# Altium PCB TEBF0808ASCII.PcbDoc (part 6 of 10)
Units mm, origin at the board's own origin, x right, y up, seen from the top; angles counter-clockwise.
Board outline 170 x 170 mm, 16 copper layers (L 01, L 02 G, L 03 S, L 04 G, L 05 S, L 06 G, L 07 P, L 08 P, L 09 P, L 10 P, L 11 G, L 12 S, L 13 G, L 14 S, L 15 G, L 16), stack 1.774 mm thick; 609 components, 869 nets, 3941 pads, 2358 vias.
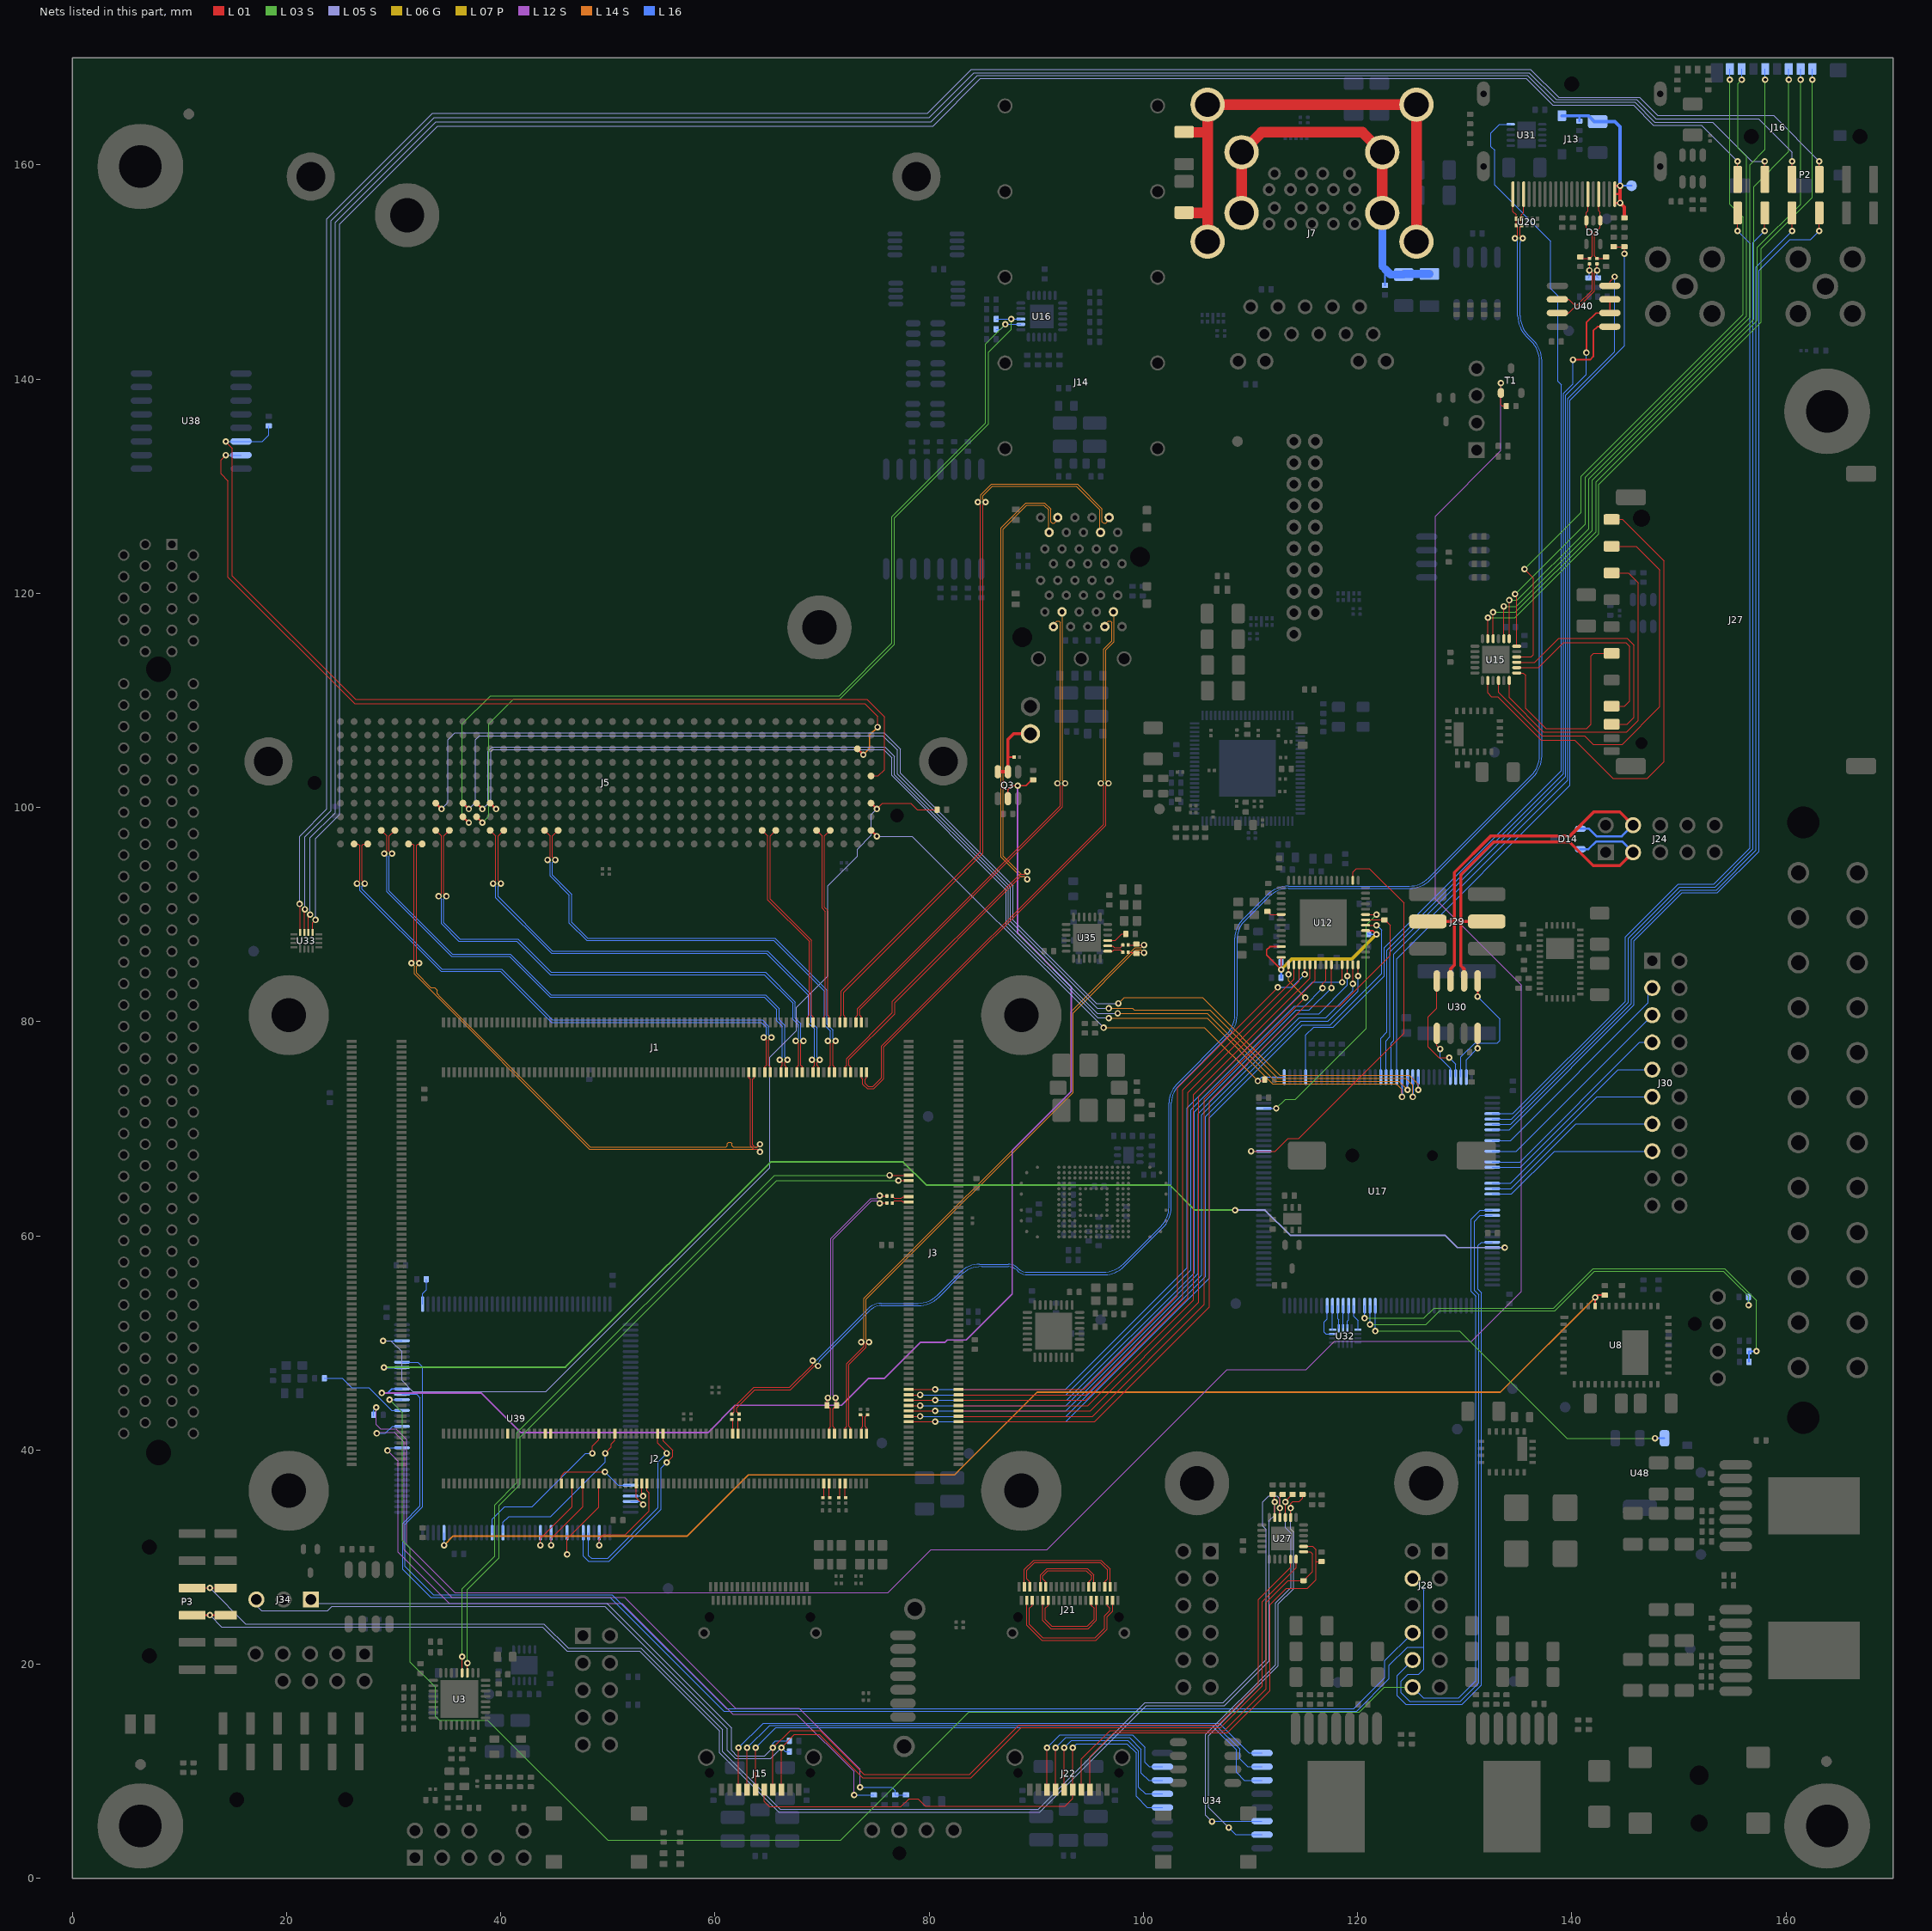
[diagram p16: the nets of this part, all layers, seen from the top]

## Via types
v1: diameter 0.6, hole 0.3, L 01 to L 16, 2358 vias

## Nets (pads, with @x,y where several pads share a name; then routed paths per layer and width w, separated by ;. In a path a pad name is that pad's centre, name@x,y a point inside that pad or via, vN(x,y) a via of type N, cw(c..) or ccw(c..) an arc to the next point about the centre after c; other vN are vias at no path point) (continued)
B229_TX0_N: J1.46 J5.A35 | length 60
  L 01 w0.1: J5.A35@31.386,96.585 31.776,96.585 31.911,96.45 31.911,85.7 v1(31.661,85.45) ; J1.46@63.155,75.268 63.155,74.753 63.295,74.613 63.295,68.394 63.609,68.08 63.95,68.08 v1(64.2,67.83)
  L 14 S w0.08: v1(31.661,85.45) 31.921,85.19 31.921,84.446 48.277,68.09 63.94,68.09 v1(64.2,67.83)
B229_TX0_P: J1.44 J5.A34 | length 60.1
  L 01 w0.1: v1(32.381,85.45) 32.131,85.7 32.131,96.45 32.266,96.585 J5.A34@32.656,96.585 ; J1.44@63.655,75.268 63.655,74.753 63.515,74.613 63.515,68.485 63.7,68.3 63.95,68.3 v1(64.2,68.55)
  L 14 S w0.08: v1(32.381,85.45) 32.121,85.19 32.121,84.529 33.4,83.25 33.465,83.185 33.809,83.185 34.055,82.938 34.055,82.595 34.35,82.3 48.36,68.29 60.9,68.29 61.019,68.29 61.149,68.42 61.149,68.603 61.279,68.733 61.453,68.733 61.583,68.603 61.583,68.42 61.713,68.29 61.8,68.29 63.94,68.29 v1(64.2,68.55)
B229_TX1_N: J1.40 J5.A39 | length 52.7
  L 01 w0.1: J5.A39@26.306,96.585 26.696,96.585 26.831,96.45 26.831,93.15 v1(26.581,92.9) ; v1(64.545,78.525) 64.795,78.275 64.795,75.923 64.655,75.783 J1.40@64.655,75.268
  L 16 w0.1: v1(26.581,92.9) 26.831,92.65 26.831,92.258 34.409,84.68 39.978,84.68 44.728,79.93 64.333,79.93 64.795,79.468 64.795,78.775 v1(64.545,78.525)
B229_TX1_P: J1.38 J5.A38 | length 52.7
  L 01 w0.1: v1(27.301,92.9) 27.051,93.15 27.051,96.45 27.186,96.585 J5.A38@27.576,96.585 ; J1.38@65.155,75.268 65.155,75.783 65.015,75.923 65.015,78.275 v1(65.265,78.525)
  L 16 w0.1: v1(27.301,92.9) 27.051,92.65 27.051,92.349 34.5,84.9 40.069,84.9 44.819,80.15 64.424,80.15 65.015,79.559 65.015,78.775 v1(65.265,78.525)
B229_TX2_N: J1.34 J5.B37 | length 53.5
  L 01 w0.1: J5.B37@28.846,97.855 29.371,97.33 29.371,95.95 v1(29.121,95.7) ; v1(66.045,76.43) 66.295,76.18 66.295,75.923 66.155,75.783 J1.34@66.155,75.268
  L 16 w0.1: v1(29.121,95.7) 29.371,95.45 29.371,92.118 35.389,86.1 40.8,86.1 44.62,82.28 64.609,82.28 65.78,81.109 65.78,80.07 66.295,79.555 66.295,76.68 v1(66.045,76.43)
B229_TX2_P: J1.32 J5.B36 | length 53.5
  L 01 w0.1: v1(29.841,95.7) 29.591,95.95 29.591,97.33 J5.B36@30.116,97.855 ; J1.32@66.655,75.268 66.655,75.783 66.515,75.923 66.515,76.18 v1(66.765,76.43)
  L 16 w0.1: v1(29.841,95.7) 29.591,95.45 29.591,92.209 35.48,86.32 40.891,86.32 44.711,82.5 64.7,82.5 66,81.2 66,80.161 66.515,79.646 66.515,76.68 v1(66.765,76.43)
B229_TX3_N: J1.28 J5.B33 | length 52
  L 01 w0.1: J5.B33@33.926,97.855 34.451,97.33 34.451,91.95 v1(34.201,91.7) ; v1(67.545,78.2) 67.795,77.95 67.795,75.923 67.655,75.783 J1.28@67.655,75.268
  L 16 w0.1: v1(34.201,91.7) 34.451,91.45 34.451,89.138 36.089,87.5 41.5,87.5 44.62,84.38 64.609,84.38 67.275,81.714 67.275,80.219 67.795,79.699 67.795,78.45 v1(67.545,78.2)
B229_TX3_P: J1.26 J5.B32 | length 52
  L 01 w0.1: v1(34.921,91.7) 34.671,91.95 34.671,97.33 J5.B32@35.196,97.855 ; J1.26@68.155,75.268 68.155,75.783 68.015,75.923 68.015,77.95 v1(68.265,78.2)
  L 16 w0.1: v1(34.921,91.7) 34.671,91.45 34.671,89.229 36.18,87.72 41.591,87.72 44.711,84.6 64.7,84.6 67.495,81.805 67.495,80.31 68.015,79.79 68.015,78.45 v1(68.265,78.2)
B230_CLK1_N: C185.2 J3.59 | length 1.7
  L 01 w0.1: C185.2@76.552,63.716 76.767,63.501 77.403,63.501 77.555,63.653 J3.59@78.07,63.653
B230_CLK1_P: C179.2 J3.61 | length 1.7
  L 01 w0.1: C179.2@76.552,63.066 76.767,63.281 77.427,63.281 77.555,63.153 J3.61@78.07,63.153
B230_RX0_N: J1.23 J5.B9 | length 19.8
  L 01 w0.1: J5.B9@64.406,97.855 64.931,97.33 64.931,91.358 68.795,87.494 68.795,80.593 68.655,80.453 J1.23@68.655,79.938
B230_RX0_P: J1.21 J5.B8 | length 19.8
  L 01 w0.1: J5.B8@65.676,97.855 65.151,97.33 65.151,91.449 69.015,87.585 69.015,80.593 69.155,80.453 J1.21@69.155,79.938
B230_RX1_N: J1.17 J5.B5 | length 18.3
  L 01 w0.1: J5.B5@69.486,97.855 70.011,97.33 70.011,90.578 70.295,90.294 70.295,80.593 70.155,80.453 J1.17@70.155,79.938
B230_RX1_P: J1.15 J5.B4 | length 18.3
  L 01 w0.1: J1.15@70.655,79.938 70.655,80.453 70.515,80.593 70.515,90.385 70.231,90.669 70.231,97.33 J5.B4@70.756,97.855
B230_RX2_N: J1.11 J14.L12 | length 69.9
  L 01 w0.1: J1.11@71.655,79.938 71.655,80.453 71.795,80.593 71.795,82.84 84.79,95.835 84.79,128.25 v1(84.54,128.5)
  L 14 S w0.08: v1(84.54,128.5) 84.8,128.76 84.8,129.175 85.825,130.2 93.825,130.2 96.15,127.875 96.15,126.65 96.275,126.525 96.475,126.525 96.8,126.85 J14.L12@96.8,127.07
B230_RX2_P: J1.9 J14.L13 | length 69.2
  L 01 w0.1: J1.9@72.155,79.938 72.155,80.453 72.015,80.593 72.015,82.749 85.01,95.744 85.01,128.25 v1(85.26,128.5)
  L 14 S w0.08: v1(85.26,128.5) 85,128.76 85,129.092 85.908,130 93.742,130 95.95,127.792 95.95,125.73 J14.L13@96,125.68
B230_RX3_N: J1.5 J14.T12 | length 46.5
  L 01 w0.1: J1.5@73.155,79.938 73.155,80.453 73.295,80.593 73.295,81.206 92.225,100.136 92.225,102 v1(91.975,102.25)
  L 14 S w0.08: J14.T12@91.6,116.87 J14.T12@91.6,116.88 91.6,117.09 91.925,117.415 92.125,117.415 92.25,117.29 92.25,102.525 v1(91.975,102.25)
B230_RX3_P: J1.3 J14.T13 | length 46.4
  L 01 w0.1: J1.3@73.655,79.938 73.655,80.453 73.515,80.593 73.515,81.115 92.445,100.045 92.445,102 v1(92.695,102.25)
  L 14 S w0.08: J14.T13@92.4,118.26 92.45,118.21 92.45,102.495 v1(92.695,102.25)
B230_TX0_N: J1.22 J5.B29 | length 47.4
  L 01 w0.1: J5.B29@39.006,97.855 39.531,97.33 39.531,93.15 v1(39.281,92.9) ; v1(69.045,76.43) 69.295,76.18 69.295,75.923 69.155,75.783 J1.22@69.155,75.268
  L 16 w0.1: v1(39.281,92.9) 39.531,92.65 39.531,91.569 44.72,86.38 64.809,86.38 68.75,82.439 68.75,79.85 69.295,79.305 69.295,76.68 v1(69.045,76.43)
B230_TX0_P: J1.20 J5.B28 | length 47.4
  L 01 w0.1: v1(40.001,92.9) 39.751,93.15 39.751,97.33 J5.B28@40.276,97.855 ; J1.20@69.655,75.268 69.655,75.783 69.515,75.923 69.515,76.18 v1(69.765,76.43)
  L 16 w0.1: v1(40.001,92.9) 39.751,92.65 39.751,91.66 44.811,86.6 64.9,86.6 68.97,82.53 68.97,79.941 69.515,79.396 69.515,76.68 v1(69.765,76.43)
B230_TX1_N: J1.16 J5.B25 | length 44.8
  L 01 w0.1: J5.B25@44.086,97.855 44.611,97.33 44.611,95.35 v1(44.361,95.1) ; v1(70.545,78.2) 70.795,77.95 70.795,75.923 70.655,75.783 J1.16@70.655,75.268
  L 16 w0.1: v1(44.361,95.1) 44.611,94.85 ; 44.611,94.389 44.611,94.85 ; v1(70.545,78.2) 70.795,78.45 70.795,79.114 70.22,79.689 70.22,82.858 65.498,87.58 48.009,87.58 46.4,89.189 46.4,91.8 44.611,93.589 44.611,94.85
B230_TX1_P: J1.14 J5.B24 | length 44.7
  L 01 w0.1: v1(45.081,95.1) 44.831,95.35 44.831,97.33 J5.B24@45.356,97.855 ; J1.14@71.155,75.268 71.155,75.783 71.015,75.923 71.015,77.95 v1(71.265,78.2)
  L 16 w0.1: 44.831,94.48 44.831,94.85 ; v1(45.081,95.1) 44.831,94.85 ; v1(71.265,78.2) 71.015,78.45 71.015,79.205 70.44,79.78 70.44,82.949 65.589,87.8 48.1,87.8 46.62,89.28 46.62,91.891 44.831,93.68 44.831,94.85
B230_TX2_N: J1.10 J14.L19 | length 67.1
  L 01 w0.1: J1.10@72.155,75.268 72.155,75.783 72.295,75.923 72.295,76.556 76.567,80.828 76.567,81.878 88.459,93.77 88.9,93.77 v1(89.15,94.02)
  L 14 S w0.08: v1(89.15,94.02) 88.89,93.76 88.573,93.76 86.9,95.433 86.9,126 89.125,128.225 90.692,128.225 91.15,127.767 91.15,125.73 J14.L19@91.2,125.68
B230_TX2_P: J1.8 J14.L18 | length 67.8
  L 01 w0.1: J1.8@72.655,75.268 72.655,75.783 72.515,75.923 72.515,76.465 76.787,80.737 76.787,81.787 88.55,93.55 88.9,93.55 v1(89.15,93.3)
  L 14 S w0.08: v1(89.15,93.3) 88.89,93.56 88.49,93.56 86.7,95.35 86.7,126.083 89.042,128.425 90.775,128.425 91.35,127.85 91.35,126.65 91.475,126.525 91.675,126.525 92,126.85 J14.L18@92,127.07
B230_TX3_N: J1.4 J14.T19 | length 56.4
  L 01 w0.1: J1.4@73.655,75.268 73.655,74.753 73.795,74.613 73.795,74.144 74.209,73.73 74.838,73.73 75.77,74.662 75.77,77.62 96.495,98.345 96.495,102 v1(96.745,102.25)
  L 14 S w0.08: v1(96.745,102.25) 96.485,102.51 96.485,114.702 97.25,115.467 97.25,118.21 J14.T19@97.2,118.26
B230_TX3_P: J1.2 J14.T18 | length 55.8
  L 01 w0.1: J1.2@74.155,75.268 74.155,74.753 74.015,74.613 74.015,74.235 74.3,73.95 74.747,73.95 75.55,74.753 75.55,77.711 96.275,98.436 96.275,102 v1(96.025,102.25)
  L 14 S w0.08: v1(96.025,102.25) 96.285,102.51 96.285,114.785 97.05,115.55 97.05,117.29 96.925,117.415 96.725,117.415 96.4,117.09 J14.T18@96.4,116.88 J14.T18@96.4,116.87
B505_CLK0_N: C223.2 J2.12 | length 1.4
  L 01 w0.1: C223.2@71.564,35.552 71.655,35.644 J2.12@71.655,36.868
B505_CLK0_P: C182.2 J2.10 | length 1.3
  L 01 w0.1: J2.10@72.155,36.868 72.155,35.611 C182.2@72.214,35.552
B505_CLK1_N: C222.2 J2.18 | length 1.4
  L 01 w0.1: C222.2@70.059,35.552 70.155,35.649 J2.18@70.155,36.868
B505_CLK1_P: C221.2 J2.16 | length 1.3
  L 01 w0.1: J2.16@70.655,36.868 70.655,35.606 C221.2@70.709,35.552
BCLK: J3.51 U3.28 | length 71.1
  L 01 w0.1: U3.28@36.39,19.19 v1(36.39,20.7) ; v1(76.3,65.653) J3.51@78.07,65.653
  L 03 S w0.1: v1(36.39,20.7) 36.39,27.04 39.432,30.082 39.432,34.882 41.5,36.95 41.5,41.604 65.549,65.653 v1(76.3,65.653)
BEEPER: R169.2 R189.2 T1.1 | length 226.6
  L 01 w0.1: v1(133.375,139.625) 133.375,138.75 133.4,138.725 T1.1@133.375,138.7 133.375,137.6 133.5,137.475 R169.2@133.88,137.475
  L 12 S w0.1: v1(28.375,43.975) 28.375,42.375 28.775,41.975 30.225,41.975 31.228,40.972 31.228,31.197 35.725,26.7 76.17,26.7 80.17,30.7 91,30.7 107.8,47.5 115.2,47.5 117.85,50.15 130.65,50.15 135.3,54.8 135.3,83.4 127.25,91.45 127.25,127.2 133.375,133.325 v1(133.375,139.625)
  L 16 w0.1: R189.2@28.13,43.175 28.13,43.73 v1(28.375,43.975)
C_T1: U17.24 U32.3 | length 2.1
  L 16 w0.1: U32.3@119.05,51.4 119.05,52.05 119.15,52.15 U17.24@119.15,53.48
C_T2: U17.26 U32.1 | length 2.2
  L 16 w0.1: U17.26@118.15,53.48 118.15,52.25 118.25,52.15 U32.1@118.25,51.35
C_T3: U17.25 U32.2 | length 2.1
  L 16 w0.1: U32.2@118.65,51.4 U17.25@118.65,53.48
C_TCK: J28.4 U17.131 U39.131 | length 188.6
  L 16 w0.1: U39.131@30.78,45.2 32.125,45.2 32.476,44.849 32.476,34.776 30.85,33.15 30.85,28.85 33.45,26.25 50.2,26.25 60.825,15.625 119.925,15.625 122.95,18.65 122.95,19.9 124.65,21.6 126.2,21.6 ; J28.4@125.13,28.01 126.2,26.94 126.2,21.6 ; U17.131@132.57,61.9 131.45,61.9 130.9,61.35 130.9,54.875 131.3,54.475 131.3,18.25 129.6,16.55 124.85,16.55 124.05,17.35 124.05,18.4 124.7,19.05 125.7,19.05 126.2,19.55 126.2,21.6
C_TDI: J28.10 U17.136 | length 55.5
  L 16 w0.1: J28.10@125.13,20.39 123.7,18.96 123.7,17.05 124.5,16.25 129.75,16.25 131.575,18.075 131.575,54.675 131.25,55 131.25,59.1 131.55,59.4 U17.136@132.57,59.4
C_TDO: J28.8 U39.137 | length 124.9
  L 16 w0.1: U39.137@30.78,48.2 32.25,48.2 32.7,47.75 32.7,34.717 31.05,33.067 31.05,29.15 33.7,26.5 50.4,26.5 61.055,15.845 119.645,15.845 122.55,18.75 122.55,20.35 J28.8@125.13,22.93
C_TDO1: U17.137 U39.136 | length 118.8
  L 03 S w0.15: v1(29.1,47.7) 29.138,47.738 46.038,47.738 65.2,66.9 77.575,66.9 79.725,64.75 102.45,64.75 104.8,62.4 v1(108.55,62.4)
  L 05 S w0.15: v1(108.55,62.4) 111.35,62.4 113.7,60.05 128.15,60.05 129.3,58.9 v1(133.74,58.9)
  L 16 w0.1: U17.137@132.57,58.9 v1(133.74,58.9)
  L 16 w0.15: v1(29.1,47.7) U39.136@30.78,47.7
C_TMS: J28.12 U17.130 U39.130 | length 187
  L 03 S w0.1: v1(29.61,44.7) 30.825,43.485 30.825,31.525 31.55,30.8 31.55,20.2 33.9,17.85 33.9,15.15 34.275,14.775 38.78,14.775 49.98,3.575 71.75,3.575 83.7,15.525 120.15,15.525 122.475,17.85 J28.12@125.13,17.85
  L 16 w0.1: v1(29.61,44.7) U39.130@30.78,44.7 ; J28.12@125.13,17.85 126.13,16.85 129.45,16.85 131.05,18.45 131.05,54.35 130.6,54.8 130.6,61.55 131.45,62.4 U17.130@132.57,62.4
CAN_FAULT: U17.106 U30.5 | length 12.6
  L 01 w0.15: v1(131.205,82.345) U30.5@131.205,83.8
  L 16 w0.1: U17.106@129.65,74.82 129.65,76.7 130.95,78 133.05,78 133.3,78.25 133.3,80.25 v1(131.205,82.345)
CAN_H: D14.1 J24.4 J29.4 U30.7 | length 37.9
  L 01 w0.3: J29.4@126.55,89.35 129.025,89.35 ; U30.7@128.665,83.8 128.665,84.915 129.025,85.275 129.025,89.35 ; J24.4@145.71,98.34 144.475,99.575 142.05,99.575 139.8,97.325 132.425,97.325 129.025,93.925 129.025,89.35
  L 16 w0.2: D14.1@140.8,98 141.6,98 142.3,97.3 144.67,97.3 J24.4@145.71,98.34
CAN_L: D14.2 J24.3 J29.3 U30.6 | length 36.9
  L 01 w0.3: U30.6@129.935,83.8 129.935,84.915 129.625,85.225 129.625,89.35 ; J29.3@132.05,89.35 129.625,89.35 ; J24.3@145.71,95.8 144.475,94.565 141.985,94.565 139.775,96.775 132.675,96.775 129.625,93.725 129.625,89.35
  L 16 w0.2: D14.2@140.8,96.1 141.55,96.1 142.275,96.825 144.685,96.825 J24.3@145.71,95.8
CAN_RX: U17.107 U30.4 | length 4.5
  L 01 w0.1: v1(131.2,77.5) 131.2,78.895 U30.4@131.205,78.9
  L 16 w0.1: U17.107@130.15,74.82 130.15,76.45 v1(131.2,77.5)
CAN_S: U17.105 U30.8 | length 11.1
  L 01 w0.1: U30.8@127.395,83.8 127.395,81.245 126.575,80.425 126.575,77.65 127.6,76.625 v1(128.55,76.625)
  L 01 w0.15: U30.8@127.295,83.7 U30.8@127.395,83.8
  L 16 w0.1: v1(128.55,76.625) 129.15,76.025 U17.105@129.15,74.82
CAN_TX: U17.104 U30.1 | length 4.6
  L 01 w0.1: U30.1@127.395,78.9 127.395,77.755 v1(127.7,77.45)
  L 16 w0.1: v1(127.7,77.45) 127.7,76.6 128.65,75.65 U17.104@128.65,74.82
CLK0_N: C93.2 J2.1 | length 1.9
  L 01 w0.1: J2.1@74.155,41.538 74.155,42.053 74.015,42.193 74.015,43.082 C93.2@74.231,43.298
CLK0_P: C94.2 J2.3 | length 1.9
  L 01 w0.1: C94.2@73.581,43.298 73.795,43.083 73.795,42.193 73.655,42.053 J2.3@73.655,41.538
CLK7_N: C185.1 J2.15 R146.2 | length 25.5
  L 01 w0.1: v1(70.54,44.875) 70.455,44.79 R146.2@70.455,44.175 70.79,43.84 70.79,42.188 70.655,42.053 J2.15@70.655,41.538 ; v1(75.375,63.751) 75.41,63.716 C185.1@76.048,63.716
  L 12 S w0.08: v1(70.54,44.875) 70.8,45.135 70.8,59.75 74.541,63.491 75.115,63.491 v1(75.375,63.751)
CLK7_P: C179.1 J2.13 R146.1 | length 25.1
  L 01 w0.1: J2.13@71.155,41.538 71.155,42.053 71.01,42.198 71.01,43.84 R146.1@71.345,44.175 71.345,44.79 v1(71.26,44.875) ; v1(75.375,63.031) 75.41,63.066 C179.1@76.048,63.066
  L 12 S w0.08: v1(71.26,44.875) 71,45.135 71,59.667 74.624,63.291 75.115,63.291 v1(75.375,63.031)
CLK8_N: C135.1 J2.9 R59.2 | length 59.3
  L 01 w0.1: J2.9@72.155,41.538 72.155,42.053 72.295,42.193 72.295,48.081 73.9,49.686 73.9,49.95 73.775,50.075 v1(73.65,50.075) ; C135.1@98.577,87.15 100.04,87.15 v1(100.05,87.16)
  L 14 S w0.08: v1(73.65,50.075) 73.91,50.335 73.91,54.168 93.225,73.483 93.225,80.908 99.217,86.9 99.79,86.9 v1(100.05,87.16)
CLK8_P: C25.1 J2.7 R59.1 | length 58.9
  L 01 w0.1: J2.7@72.655,41.538 72.655,42.053 72.515,42.193 72.515,47.99 74.12,49.595 74.12,49.95 74.245,50.075 v1(74.37,50.075) ; C25.1@98.577,86.475 100.015,86.475 v1(100.05,86.44)
  L 14 S w0.08: v1(74.37,50.075) 74.11,50.335 74.11,54.085 93.425,73.4 93.425,80.825 99.3,86.7 99.79,86.7 v1(100.05,86.44)
CLK8C_N: C135.2 U35.2 | length 1.6
  L 01 w0.1: U35.2@96.665,87.075 97.13,87.075 97.283,86.923 97.845,86.923 C135.2@98.073,87.15
CLK8C_P: C25.2 U35.1 | length 1.6
  L 01 w0.1: U35.1@96.665,86.575 97.13,86.575 97.258,86.703 97.845,86.703 C25.2@98.073,86.475
CLK_125MHZ: U12.9 U17.70 | length 24.7
  L 01 w0.1: U12.9@120.74,90 v1(121.75,90)
  L 03 S w0.1: v1(112.4,71.9) 113.255,72.755 114.18,72.755 120.8,79.375 120.8,89.05 v1(121.75,90)
  L 16 w0.1: U17.70@111.23,71.9 v1(112.4,71.9)
CLK_A: R128.1 U39.1 | length 2.5
  L 16 w0.1: U39.1@32.7,53.62 32.7,54.611 33.05,54.961 33.05,55.895 R128.1@32.995,55.95
CLK_CPLD: R19.2 U39.128 | length 8.5
  L 16 w0.1: R19.2@23.52,46.7 25.2,46.7 26.075,45.825 27.675,45.825 29.8,43.7 U39.128@30.78,43.7
CLK_IN3: R112.2 U35.3 | length 1.9
  L 01 w0.1: U35.3@96.665,87.575 97.375,87.575 97.975,88.175 R112.2@98.35,88.175
CON_NTRST: J30.3 U17.117 | length 21.4
  L 16 w0.1: U17.117@132.57,68.9 134.275,68.9 147.125,81.75 147.125,82.76 J30.3@147.505,83.14
CON_RTCK: J30.11 U17.125 | length 18.3
  L 16 w0.1: U17.125@132.57,64.9 134.275,64.9 142.355,72.98 J30.11@147.505,72.98
CON_SRST: J30.15 U17.127 | length 16.6
  L 16 w0.1: U17.127@132.57,63.9 134.375,63.9 138.375,67.9 J30.15@147.505,67.9
CON_TCK: J30.9 U17.122 | length 18.7
  L 16 w0.1: U17.122@132.57,66.4 135.207,66.4 144.327,75.52 J30.9@147.505,75.52
CON_TDI: J30.5 U17.119 | length 20.2
  L 16 w0.1: U17.119@132.57,67.9 134.805,67.9 J30.5@147.505,80.6
CON_TDO: J30.13 U17.126 | length 17.4
  L 16 w0.1: U17.126@132.57,64.4 134.325,64.4 140.365,70.44 J30.13@147.505,70.44
CON_TMS: J30.7 U17.121 | length 19.6
  L 16 w0.1: U17.121@132.57,66.9 134.05,66.9 135.175,66.9 146.335,78.06 J30.7@147.505,78.06
DAC_SDATA: J3.53 U3.27 | length 70.2
  L 01 w0.1: U3.27@36.89,19.19 v1(36.89,20.1) ; v1(77.13,65.153) J3.53@78.07,65.153
  L 03 S w0.1: v1(36.89,20.1) 36.89,26.965 39.854,29.929 39.854,34.829 41.8,36.775 41.8,41.197 65.758,65.155 77.128,65.155 v1(77.13,65.153)
DDR_1V2: J2.135
DIR_T1: U17.23 U32.5 | length 2.4
  L 16 w0.1: U17.23@119.65,53.48 119.65,52.475 120.025,52.1 U32.5@120.025,51.225
DIR_T2: U17.28 U32.15 | length 3.5
  L 16 w0.1: U17.28@117.15,53.48 117.15,52.225 116.875,51.95 116.875,51 117.05,50.825 U32.15@117.675,50.825
DIR_T3: U17.27 U32.16 | length 2.3
  L 16 w0.1: U17.27@117.65,53.48 117.65,51.25 U32.16@117.675,51.225
DONE: J2.116 U39.67 | length 7.9
  L 01 w0.1: J2.116@45.655,36.868 45.655,37.605 46,37.95 v1(49.725,37.95)
  L 16 w0.1: v1(49.725,37.95) 50.975,36.7 U39.67@52.12,36.7
DP0_TX_N: C140.1 J2.49 | length 1.3
  L 01 w0.1: J2.49@62.155,41.538 62.155,42.753 C140.1@62.25,42.848
DP0_TX_P: C139.1 J2.51 | length 1.3
  L 01 w0.1: C139.1@61.575,42.848 61.655,42.767 J2.51@61.655,41.538
DP_AUX_DE: U17.92 U40.2 U40.3 | length 82
  L 01 w0.15: v1(141.365,142.455) 141.365,145.265 142.265,146.165 U40.2@143.55,146.165 U40.3@143.55,147.435
  L 16 w0.1: U17.92@122.65,74.82 122.65,78.214 123.025,78.589 123.025,86.5 139.425,102.9 139.425,138.5 141.365,140.44 v1(141.365,142.455)
DP_AUX_N: C148.2 R97.1 U40.7 | length 7.7
  L 01 w0.1: U40.7@138.65,146.165 139.7,146.165 140.225,146.69 140.591,146.69 142.11,148.209 142.11,149.9 v1(142.36,150.15) 142.35,150.16 C148.2@142.35,150.748
  L 16 w0.1: v1(142.36,150.15) 142.36,149.535 R97.1@142.45,149.445
DP_AUX_P: C147.2 R84.1 U40.6 | length 7.3
  L 01 w0.1: U40.6@138.65,147.435 139.7,147.435 140.225,146.91 140.5,146.91 141.89,148.3 141.89,149.9 v1(141.64,150.15) 141.65,150.16 C147.2@141.65,150.748
  L 16 w0.1: R84.1@141.55,149.445 141.64,149.535 v1(141.64,150.15)
DP_AUX_RX: U17.91 U40.1 | length 80.6
  L 01 w0.15: v1(140.1,141.8) 141.7,141.8 142,142.1 142,144.5 142.395,144.895 U40.1@143.55,144.895
  L 16 w0.1: U17.91@122.15,74.82 122.15,78.421 122.75,79.021 122.75,86.675 139.225,103.15 139.225,138.675 140.1,139.55 v1(140.1,141.8)
DP_AUX_TX: U17.93 U40.4 | length 84.4
  L 01 w0.1: U40.4@143.55,148.705 143.55,149.1 v1(144,149.55)
  L 16 w0.1: U17.93@123.15,74.82 123.15,78.007 123.375,78.232 123.375,86.307 139.625,102.557 139.625,138.175 144,142.55 v1(144,149.55)
DP_EN: U17.77 U31.5 | length 104
  L 16 w0.1: U17.77@115.15,74.82 115.15,78.75 115.9,79.5 117.7,79.5 122.475,84.275 122.475,86.9 139.025,103.45 139.025,139.475 138.7,139.8 138.7,147.775 138.025,148.45 138.025,152.875 132.8,158.1 132.8,161.35 132.45,161.7 132.45,162.975 133.26,163.785 U31.5@134.295,163.785
DP_TX_AUX_N: C148.1 D3.1 J13.17 R38.2 | length 7.3
  L 01 w0.1: J13.17@142.5,157.258 142.5,155.7 142.65,155.55 D3.1@142.65,154.8 142.65,154.15 142.11,153.61 142.11,152.8 142.11,151.492 C148.1@142.35,151.252 143.057,151.252 R38.2@143.2,151.395
DP_TX_AUX_P: C147.1 D3.3 J13.15 R42.1 | length 7.3
  L 01 w0.1: R42.1@140.8,151.395 140.943,151.252 C147.1@141.65,151.252 141.89,151.492 141.89,152.8 141.89,153.61 141.35,154.15 D3.3@141.35,154.8 141.35,155.55 141.5,155.7 J13.15@141.5,157.258